# KiCad board Galatea Keyboard PCB.kicad_pcb (continued)
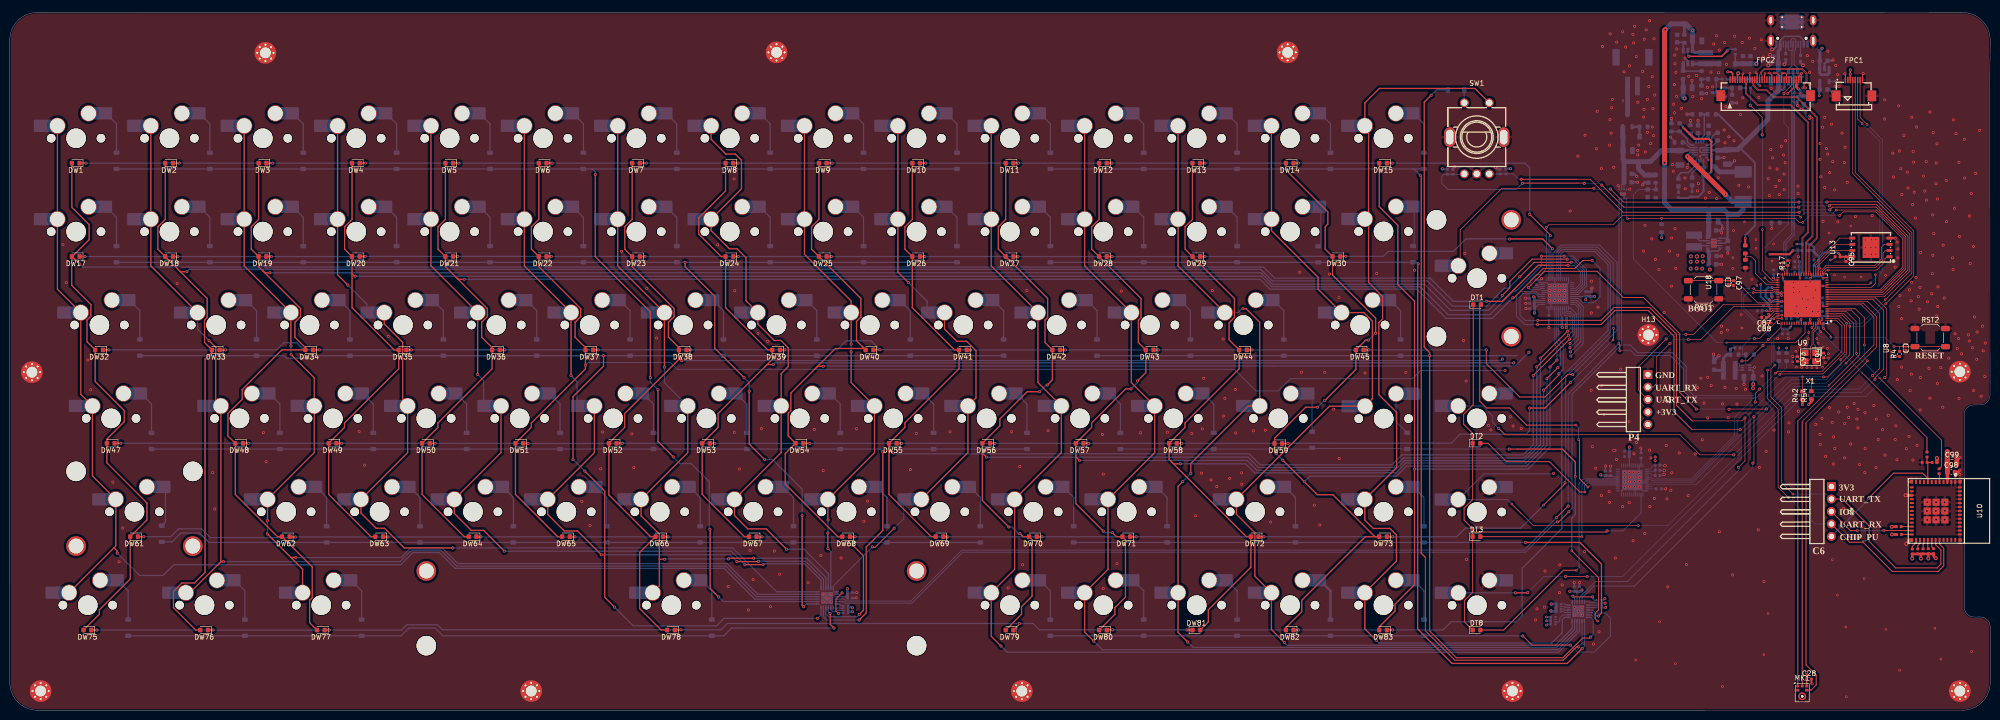
[diagram p0: board, top side]
## Routing (per net, layer and track width the routed paths; a pad name or vN(x,y) marks a point on that pad's centre or on a via; arc(x,y) is an arc through that point) (continued)
/MCU SECTION/DSI_DATA0_P: length 50
  Top w0.115: 354.44,129.16 FPC2.8 354.44,128.09 354.3,127.95 354.3,127.72 354.28,127.71 354.28,125.87 356.54,123.61 363.3,123.61 366.93,119.98 366.93,97.42 365.8,96.29 365.8,89.24 365.87,89.17 U9.39
/MCU SECTION/DSI_DATA1_N: length 49.6
  Top w0.115: U9.36 366.92,89.41 366.99,89.48 366.99,94.8 368.51,96.32 368.51,120.96 364.55,124.92 359.83,124.92 358.33,126.42 356.6,126.42 355.59,127.43 355.59,127.95 355.44,128.09 FPC2.10
/MCU SECTION/DSI_DATA1_P: length 49.6
  Top w0.115: FPC2.11 355.94,128.09 355.8,127.95 355.8,127.52 356.69,126.63 358.42,126.63 359.92,125.13 364.64,125.13 368.72,121.05 368.72,96.23 367.2,94.71 367.2,89.48 367.27,89.41 U9.35
/MCU SECTION/DSI_REXT: length 1.9
  Top w0.127: v2(367.31,88.13) 367.62,88.43 U9.34
  Bottom w0.127: v2(367.31,88.13) 366.55,88.13 R16.1
/MCU SECTION/EN_DCDC: length 13.7
  Top w0.127: U9.79 361.32,78.09 358.86,75.63 v1(358.7,75.63) ; v1(353.36,71.26) 354.49,71.26 v1(357.64,74.41)
  Bottom w0.127: v1(357.64,74.41) 357.64,74.57 v1(358.7,75.63) ; U11.5 353.16,69.89 352.9,70.15 352.9,70.8 v1(353.36,71.26)
/MCU SECTION/ENC_A: length 132.8
  Top w0.127: 382.83,85.43 382.2,84.8 U9.16
  Top w0.15: 319.97,107.53 321.1,107.53 v1(321.17,107.46) ; 382.83,85.43 387.21,89.81 387.21,96.71 380.79,103.13 371.41,103.13 v1(371.18,102.9) ; v1(364.94,102.61) 329.26,102.61 v1(324.76,107.11)
  Top w0.2: v1(308.56,107.49) 308.6,107.53 319.97,107.53
  Bottom w0.15: v1(364.94,102.61) 365.23,102.9 v1(371.18,102.9) ; v1(321.17,107.46) 324.41,107.46 v1(324.76,107.11)
  Bottom w0.2: SW1.A 296.63,109.32 C19.1 R9.2 292.54,109.32 292.1,108.88 292.1,107.51 293.39,106.22 307.29,106.22 v1(308.56,107.49)
/MCU SECTION/ENC_B: length 115.8
  Top w0.127: 382.56,85.82 381.89,85.15 U9.17
  Top w0.15: v1(371.28,102.07) 371.84,102.63 380.71,102.63 386.77,96.57 386.77,90.03 382.56,85.82 ; v1(365,101.58) 329.1,101.58 322.37,108.31 319.62,108.31
  Top w0.2: v1(308.35,108.31) 319.62,108.31
  Bottom w0.15: v1(371.28,102.07) 365.49,102.07 v1(365,101.58)
  Bottom w0.2: v1(308.35,108.31) 307.82,108.31 306.73,109.4 R10.2 C20.1 301.8,109.4 SW1.B
/MCU SECTION/ESP_EN: length 29.9
  Top w0.127: RST2.2 RST2.2 388.65,74.17 U8.2 386.71,74.22 385.46,74.22 ; v2(371.48,76.08) 371.48,76.36 v2(370,77.85) 369.71,78.14 U9.103 ; 385.46,74.22 385.46,74.22 v1(384.36,74.22) ; 385.46,74.22 385.46,73.2 R4.2
  Bottom w0.127: v1(384.36,74.22) 382.5,76.08 v2(371.48,76.08)
  Bottom w0.3: v2(370,77.85) 370.03,77.88 C96.1
/MCU SECTION/FB_DCDC: length 16
  Top w0.127: U9.78 356.95,75.81 v1(355.89,75.81)
  Bottom w0.127: v1(355.89,75.81) 355.03,75.81 353.49,74.27 353.49,73.92 ; 353.49,72.54 354.1,72.54 R14.1 354.13,70.68 354.42,70.39 U11.1 ; 353.49,72.54 353.49,73.92 ; 353.49,72.54 R13.2 ; 353.49,73.92 353.46,73.89 C14.2
/MCU SECTION/FLASH_CK: length 11.1
  Top w0.127: U13.6 372.62,95.04 368.32,90.74 U9.32
/MCU SECTION/FLASH_CS: length 18.9
  Top w0.127: U9.27 370.06,89.22 370.62,89.78 v2(370.94,89.78) 380.8,89.78 382.5,91.48 382.5,92.07 382.94,92.51 U13.1 ; R15.1 371.7,91.85 v2(371.36,91.85)
  Bottom w0.127: v2(371.36,91.85) 370.94,91.43 v2(370.94,89.78)
/MCU SECTION/FLASH_D: length 12.1
  Top w0.127: U9.33 367.97,90.95 373.33,96.31 U13.5
/MCU SECTION/FLASH_HD: length 10.1
  Top w0.127: U13.7 371.99,93.78 368.67,90.46 U9.31
/MCU SECTION/FLASH_Q: length 16.9
  Top w0.127: U9.28 369.71,89.44 370.58,90.31 380.61,90.31 382.12,91.82 382.12,93.22 382.68,93.78 U13.2
/MCU SECTION/FLASH_WP: length 18.4
  Top w0.127: U13.3 382.38,95.04 381.77,94.43 381.77,92.03 380.4,90.66 370.46,90.66 369.36,89.56 U9.29
/MCU SECTION/GPIO6: length 44.2
  Top w0.127: U9.6 374.65,81.29 376.63,79.3 376.63,72.87 v2(376.72,72.78) ; 394.06,55.12 v3(381.42,67.75)
  Top w0.2: R50.1 394.06,49.72 394.06,55.12
  Bottom w0.127: v2(376.72,72.78) 376.72,72.48 381.42,67.77 v3(381.42,67.75)
/MCU SECTION/GPIO54: length 36.8
  Top w0.127: U9.98 367.97,78.4 v2(367.61,78.04) ; v5(377.9,68.81) 391.09,55.63
  Top w0.2: R51.1 391.09,55.63
  Bottom w0.127: v5(377.9,68.81) 370.59,76.13 369.53,76.13 v2(367.61,78.04)
/MCU SECTION/GPIO_35: length 20.3
  Top w0.127: U18.2 350.56,87.63 C97.1 352.05,87.63 356.6,83.08 359.3,83.08 359.96,83.74 U9.66
  Top w0.15: RST1.2 RST1.2 350.41,87.63
/MCU SECTION/LCD_BL_PWM: length 42.4
  Top w0.127: U9.55 359.58,87.59 357.52,89.64 v2(357.52,98.03)
  Top w0.15: v1(357.47,117.39) 357.47,120.97 v1(355.04,123.4)
  Bottom w0.15: R34.1 355.12,123.48 v1(355.04,123.4) ; v2(357.52,98.03) 357.52,117.34 v1(357.47,117.39)
/MCU SECTION/LCD_RESET: length 48.4
  Top w0.127: v1(361.92,125.81) 361.92,125.96 363.44,127.48 FPC2.26 ; U9.56 358.99,87.24 v2(358.03,88.19)
  Bottom w0.127: v1(361.92,125.81) 361.92,119.76 362.87,118.81 362.87,99.51 ; R55.2 362.79,99.43 362.87,99.51 ; v2(358.03,88.19) 358.05,88.21 358.05,94.41 362.87,99.23 362.87,99.51
/MCU SECTION/LED_INTB: length 137.9
  Top w0.127: U9.5 374.13,80.94 376.09,78.97 376.09,72.3 v2(374.59,70.8) ; v1(350.71,61.36) 350.78,61.43 358.32,61.43
  Top w0.2: v1(309.78,86.22) 313.11,89.54 323.8,89.54 329.14,84.19 333.26,84.19 340.64,76.81 340.64,64.81 v1(344.02,61.43)
  Bottom w0.127: v2(374.59,70.8) 370.38,66.59 363.48,66.59 343.32,46.43 335.03,46.43 334.55,45.95 U7.45 ; v1(350.71,61.36) 350.64,61.43 v1(344.02,61.43)
  Bottom w0.2: 311.61,85.81 312.12,85.81 312.31,86 U3.45 ; 311.61,85.81 310.19,85.81 v1(309.78,86.22)
  vias: v1(358.33,61.44)
/MCU SECTION/MIC_BTN: length 133.1
  Top w0.127: 383.06,85.03 382.48,84.45 U9.15
  Top w0.15: v1(364.95,103.65) 329.19,103.65 v1(326.51,106.33) ; v1(323.14,106.47) 304.36,106.47 295.86,97.98 295.86,90.67 ; v1(370.65,103.65) 370.71,103.71 381.01,103.71 387.59,97.13 387.59,89.56 383.06,85.03
  Bottom w0.15: v1(323.14,106.47) 323.31,106.3 326.48,106.3 v1(326.51,106.33) ; v1(370.65,103.65) v1(364.95,103.65)
/MCU SECTION/MIC_SCK: length 92
  Top w0.127: U9.8 376.4,81.99 378.31,80.07 v2(378.31,74.52) ; 366.43,58.66 378.93,71.16 v2(378.93,71.26)
  Top w0.2: 366.43,58.66 366.43,9.23 368.49,7.17 368.49,5.14 367.44,4.09 MK1.4
  Bottom w0.127: v2(378.93,71.26) 378.31,71.88 v2(378.31,74.52)
/MCU SECTION/MIC_SD: length 92.9
  Top w0.127: 365.64,58.93 380.81,74.1 380.81,80.33 378.11,83.04 U9.11
  Top w0.2: MK1.6 365.64,58.93
/MCU SECTION/MIC_WS: length 92.3
  Top w0.127: 364.74,58.99 380.27,74.52 380.27,80.13 377.72,82.69 U9.10
  Top w0.2: MK1.1 364.74,58.99
/MCU SECTION/SDB: length 117.8
  Top w0.127: U9.18 381.74,85.5 386.41,90.17 386.41,96.43 380.82,102.03 v2(372.57,102.03) ; v2(365.33,100.58) 364.98,100.93 328.98,100.93 327.08,99.03 313.98,99.03 v2(313.48,98.53)
  Bottom w0.127: v2(372.57,102.03) 371.98,101.44 366.19,101.44 v2(365.33,100.58)
  Bottom w0.2: 313.48,97.33 313.48,97.7 ; 313.48,97.33 v2(313.48,98.53) ; 313.48,97.33 313.48,92.13 313.51,92.11 313.51,91.78 313.48,91.75 313.48,90.13 312.25,88.89 311.4,88.89 310.28,87.78 310.28,86.69 310.76,86.21 311.78,86.21 311.97,86.4 U3.46
/MCU SECTION/SDB_1: length 69.4
  Top w0.127: U9.7 375.63,81.64 377.38,79.89 377.38,72.53 v3(371.09,66.24)
  Bottom w0.127: U7.46 334.79,45.55 335.27,46.03 344.02,46.03 364.04,66.05 370.9,66.05 v3(371.09,66.24)
/MCU SECTION/Tact_1: length 121.2
  Top w0.127: v1(380.01,68.29) 381.45,69.73 381.45,80.93 379,83.39 U9.12 ; v1(351.69,52.09) 344.81,52.09 340.71,56.19 319.27,56.19
  Top w0.2: v1(303.72,57.49) 305.02,56.19 319.27,56.19
  Bottom w0.127: v1(380.01,68.29) 377.23,65.51 365.11,65.51 v1(351.69,52.09)
  Bottom w0.2: SW_1.1 300.43,62.07 302.51,59.98 302.51,58.7 v1(303.72,57.49)
/MCU SECTION/Tact_2: length 148.5
  Top w0.127: v1(380.5,67.53) 380.5,67.83 382.23,69.56 382.23,81.6 380.1,83.74 U9.13 ; v2(332.21,37.66) 310.8,37.66 308.3,40.16
  Top w0.2: v2(306.41,42.05) 308.3,40.16
  Bottom w0.127: v2(332.21,37.66) 338.15,37.66 365.29,64.8 377.77,64.8 v1(380.5,67.53)
  Bottom w0.2: v1(314.93,48.29) 314.86,48.22 300.71,48.22 SW_2.1 305.49,42.97 v2(306.41,42.05)
/MCU SECTION/Tact_3: length 132.5
  Top w0.127: U9.14 380.65,84.1 382.89,81.85 382.89,68.27 v1(382.48,67.86)
  Top w0.15: v1(317.36,27.29) 317.37,27.28 v1(321.76,27.28)
  Top w0.254: v1(309.63,23.97) 309.6,23.94 v1(307.14,23.94)
  Bottom w0.127: 369.72,64.02 378.64,64.02 v1(382.48,67.86)
  Bottom w0.15: v1(321.76,27.28) 329.04,27.28 365.78,64.02 369.72,64.02 ; v1(309.63,23.97) 312.95,27.29 v1(317.36,27.29)
  Bottom w0.254: SW_3.1 307.14,23.95 v1(307.14,23.94)
/MCU SECTION/UART0_RXD: length 36.6
  Top w0.127: J3.2 335.23,65.91 335.97,66.65 335.97,72.14 v1(338.64,74.81) ; v1(342.4,75.59) 344.92,75.59 351.7,82.38 359.34,82.38 359.38,82.34 U9.70
  Bottom w0.127: v1(338.64,74.81) 339.42,75.59 v1(342.4,75.59)
/MCU SECTION/UART0_TXD: length 41.2
  Top w0.127: v1(337.89,75.72) 332.25,70.08 332.25,65.28 J3.3 ; U9.69 359.49,82.69 359.47,82.71 349.49,82.71 343.45,76.66 v1(341.9,76.66)
  Bottom w0.127: v1(337.89,75.72) 338.83,76.66 v1(341.9,76.66)
/MCU SECTION/USB_C+: length 69.6
  Top w0.127: U9.50 362.01,89.49 v1(361.49,90)
  Bottom w0.2: v1(361.49,90) 362.34,90.85 362.34,95.29 364,96.95 364,126.99 ; 364,126.99 364.72,127.71 U6.4 ; 364,126.99 364,98.05
/MCU SECTION/USB_C-: length 69
  Top w0.127: U9.49 362.36,89.94 361.69,90.61 v1(361.69,91.35)
  Bottom w0.2: 363.55,98.5 363.55,126.71 363.55,97.13 361.89,95.48 361.89,91.55 v1(361.69,91.35) ; 363.55,126.47 363.55,126.99 362.82,127.71 U6.6
/MCU SECTION/usb_vbus_det: length 11.8
  Top w0.127: U9.57 358.27,86.9 356.1,89.06 356.1,91.67 355.26,92.51 354.05,92.51 ; R43.2 354.05,93.15 354.05,92.51 ; R44.1 354.05,92.51
/MCU SECTION/VADC: length 64.4
  Top w0.127: U9.93 366.22,76.9 364.3,74.98 v3(350.21,74.98)
  Bottom w0.127: 348.28,74.98 v3(350.21,74.98)
  Bottom w0.15: 348.28,74.98 331.17,92.09 331.17,105.13 332.27,106.23 C82.1 R47.1
  Bottom w0.254: R46.2 335.77,107.57 R47.1 335.74,106.25
/MCU SECTION/XTAL_N: length 10.5
  Top w0.127: 366.2,71.17 366.2,71.17 X1.3 ; X1.3 366.73,71.17 367.32,71.76 367.32,74.21 367.64,74.53 367.64,77.28 368.32,77.96 U9.99 ; X1.3 C93.2
/MCU SECTION/XTAL_P: length 8.1
  Top w0.127: U9.100 368.67,77.77 367.99,77.09 367.99,74.67 368.41,74.24 X1.1 370.01,72.87 C94.2
/POWER SECTION/USB+: length 9
  Bottom w0.2: 363.28,135.79 363.28,136.68 363.63,137.02 364.1,137.02 364.28,136.85 364.28,134.8 364,134.52 364,131.74 364.72,131.01 U6.3
/POWER SECTION/USB-: length 7.7
  Bottom w0.2: 362.78,135.79 362.78,134.77 362.93,134.61 363.48,134.61 ; U6.1 362.82,130.71 363.55,131.44 363.55,134.55 363.48,134.61 ; 363.78,135.79 363.78,134.91 363.48,134.61
COL0: length 256.1
  Top w0.254: 21.26,33.14 21.62,33.5 MX61.1 16.86,47.78 MX47.1 14.48,64.45 MX32.1 9.71,85.88 MX17.1 MX1.1 ; 21.26,33.14 MX75.1 ; 21.26,33.14 21.91,32.49 v1(21.91,32.04)
  Bottom w0.254: U1.9 151.99,22.66 145.72,28.93 90.86,28.93 87.62,32.17 82.25,32.17 79.76,29.68 33.46,29.68 31.27,27.49 26.46,27.49 v1(21.91,32.04)
COL1: length 232.2
  Top w0.254: MX76.1 36.75,23.97 42.41,29.63 ; 43.1,30.32 43.05,30.27 ; 43.1,30.32 v1(43.59,30.32) ; 43.1,30.32 42.41,29.63 ; 43.05,30.27 MX48.1 42,63.12 42,74.04 v1(40.63,75.41) ; 43.05,30.27 42.41,29.63 ; MX33.1 28.76,90.65 MX18.1 MX2.1
  Bottom w0.254: v1(43.59,30.32) 79.64,30.32 81.94,32.62 87.94,32.62 91.17,29.39 146.05,29.39 152.28,23.16 U1.10 ; v1(40.63,75.41) 38.29,77.75 MX33.1
COL2: length 220.4
  Top w0.254: 58.81,29.68 59.72,28.77 MX77.1 ; 58.81,29.68 58.82,29.68 ; 58.81,29.68 57.33,31.16 ; 57.33,31.16 v1(52.53,35.96) ; 57.33,31.16 v1(58.33,31.16) ; MX3.1 MX19.1 47.81,90.65 MX34.1 57.34,74.31 v1(57.35,74.3) ; v1(57.38,72.53) 62.1,67.81 MX49.1 62.1,52.55 MX62.1 52.58,38.67 v1(52.54,38.63)
  Bottom w0.254: v1(57.35,74.3) 57.35,72.56 v1(57.38,72.53) ; v1(58.33,31.16) 58.35,31.14 79.82,31.14 81.83,33.15 88.15,33.15 91.38,29.92 146.32,29.92 152.58,23.66 U1.11 ; v1(52.53,35.96) 52.54,35.97 v1(52.54,38.63)
COL3: length 187.2
  Top w0.254: v1(68.97,86.72) 66.86,88.83 MX20.1 MX4.1 ; v1(90.35,33.1) 80.46,33.1 76.45,37.11 74.75,37.11 71.63,40.24 MX63.1 81.15,52.55 MX50.1 80.14,63.08 80.14,75.03 76.39,78.79 MX35.1
  Bottom w0.254: v1(68.97,86.72) 72.84,82.85 MX35.1 ; v1(90.35,33.1) 147.48,33.1 156.42,24.16 U1.12
COL4: length 169.8
  Top w0.254: MX5.1 MX21.1 85.91,90.65 MX36.1 95.44,68.48 v1(95.44,68.48) ; MX51.1 100.2,52.55 MX64.1 90.68,40.15 94.13,36.69 96.64,36.69 v1(100.89,32.44) ; v1(149.95,29.67) 149.98,29.69 v1(153.66,29.69)
  Bottom w0.254: v1(95.44,68.48) 96.65,67.27 MX51.1 ; v1(149.95,29.67) 147.18,32.44 v1(100.89,32.44) ; v1(153.66,29.69) 153.84,29.87 162.12,29.87 165.48,26.51 U1.13
COL5: length 151.3
  Top w0.254: v1(114.49,68.26) 114.49,68.26 MX37.1 104.96,90.65 MX22.1 MX6.1 ; v1(148.35,30.31) 152.7,30.31 v1(152.76,30.37) ; MX52.1 119.25,52.55 MX65.1 109.73,39.96 113.12,36.56 115.82,36.56 120.67,31.71 v1(120.67,31.7)
  Bottom w0.254: v1(114.49,68.26) 115.7,67.05 MX52.1 ; v1(152.76,30.37) 152.76,30.37 162.32,30.37 165.98,26.71 U1.14 ; v1(120.67,31.7) 146.96,31.7 v1(148.35,30.31)
COL6: length 145.1
  Top w0.254: 132.5,30.8 132.5,25.31 MX78.1 ; 132.5,30.8 133.58,30.8 v1(133.6,30.78) ; 132.5,30.8 132.5,35.92 128.78,39.65 MX66.1 138.3,52.55 MX53.1 ; v1(151.76,31) 146.71,31 v1(146.58,30.87) ; MX7.1 MX23.1 124.01,90.65 MX38.1 133.54,69.99 v1(133.54,69.99)
  Bottom w0.254: v1(133.54,69.99) 133.54,66.83 MX53.1 ; v1(133.6,30.78) 133.69,30.87 v1(146.58,30.87) ; v1(151.76,31) 162.55,31 166.48,27.07 U1.15
COL7: length 125.6
  Top w0.254: MX8.1 143.06,116.47 146.09,113.45 147.99,113.45 149.26,112.19 149.26,106.36 MX24.1 143.06,97.84 146.76,94.14 148.34,94.14 150.18,92.3 150.18,83.53 MX39.1 152.59,78.79 155.94,75.43 157.28,75.43 158.8,73.92 158.8,70.09 157.35,68.64 MX54.1 157.35,52.55 MX67.1 147.83,39.72 150.55,36.99 154.29,36.99 v1(158.44,32.84)
  Bottom w0.254: v1(158.44,32.84) 162.02,32.84 166.98,27.88 U1.16
COL8: length 104.5
  Top w0.254: v1(166.9,32.96) 166.88,32.98 v1(166.88,36.13) ; MX9.1 MX25.1 162.11,93 171.64,83.47 MX40.1 171.64,74.7 v1(171.63,74.69) ; v1(171.63,73.12) 171.63,66.84 MX55.1 176.4,52.55 MX68.1 166.88,38.85 v1(166.93,38.79)
  Bottom w0.254: U1.17 167.48,32.38 v1(166.9,32.96) ; v1(166.88,36.13) 166.93,36.18 v1(166.93,38.79) ; v1(171.63,73.12) v1(171.63,74.69)
COL9: length 111.7
  Top w0.2: v1(175.96,33.32) 176.05,33.23 176.52,33.23 v1(180.41,37.12)
  Top w0.254: MX69.1 195.45,52.55 MX56.1 197.1,63.72 197.1,73.35 195.18,75.27 193.16,75.27 190.69,77.75 MX41.1 ; MX10.1 MX26.1 181.16,89.39 v1(183.32,87.23)
  Bottom w0.2: v1(175.96,33.32) 167.98,25.34 U1.18 ; MX69.1 182.38,39.08 v1(180.41,37.12)
  Bottom w0.254: MX41.1 187.14,83.41 v1(183.32,87.23)
COL10: length 241.2
  Top w0.254: MX11.1 MX27.1 200.21,90.65 MX42.1 209.74,66.83 MX57.1 214.5,52.55 MX70.1 204.98,28.73 MX79.1 200.21,15.08 v1(202.2,13.09)
  Bottom w0.254: U2.9 320.21,16.11 315.93,11.82 203.47,11.82 v1(202.2,13.09)
COL11: length 220.7
  Top w0.254: MX12.1 MX28.1 219.26,90.65 MX43.1 228.79,66.83 MX58.1 233.55,52.55 MX71.1 224.03,28.73 MX80.1 219.26,15.95 v1(221.13,14.08)
  Bottom w0.254: U2.10 319.71,16.25 315.8,12.34 241.22,12.34 241.21,12.34 222.87,12.34 v1(221.13,14.08)
COL12: length 207.7
  Top w0.254: v1(239.25,46.63) 238.31,45.69 MX81.1 238.31,15.89 v1(240.28,13.92) ; v1(251.57,81.92) 252.19,81.92 254.97,79.14 MX85.1 252.64,62.06 240.91,50.34 v1(240.91,48.3) ; MX13.1 MX29.1 238.31,90.65 MX44.1
  Bottom w0.254: v1(251.57,81.92) 251.36,81.92 250.56,81.12 MX44.1 ; U2.11 319.21,16.46 315.55,12.8 241.4,12.8 v1(240.28,13.92) ; v1(240.91,48.3) 239.25,46.64 v1(239.25,46.63)
COL13: length 198.3
  Top w0.254: v1(260.02,13.8) 257.36,16.46 MX82.1 253.98,27.36 253.98,36.21 250.22,39.96 MX72.1 269.22,62.02 MX30.1 277.96,63.53 277.96,79.36 276.2,81.12 MX45.1 266.89,85.88 266.89,88.33 257.37,97.84 MX16.1 257.37,110.67 257.36,110.68 MX14.1
  Bottom w0.254: U2.12 318.71,16.65 316.24,14.18 316.24,14.17 315.33,13.25 260.57,13.25 v1(260.02,13.8)
COL14: length 195
  Top w0.254: SW1.E 298.86,126.84 279.38,126.84 276.41,123.87 MX15.1 277.18,118.45 277.18,87.27 280.04,84.41 280.04,79.8 279.28,79.04 279.28,64.36 282.91,60.73 282.91,49.52 MX73.1 276.41,38.81 ; 276.41,38.81 278.14,37.08 281.52,37.08 282.87,35.73 282.87,30.43 MX83.1 276.41,16.6 v1(278.74,14.27) ; 276.41,38.81 276.41,38.8
  Bottom w0.254: v1(278.74,14.27) 279.31,13.7 314.57,13.7 316.69,15.82 316.69,18.48 317.14,18.94 U2.13
CS1: length 434.5
  Top w0.2: 311.79,90.77 312.11,90.77 312.11,90.77 ; v1(317.87,90.77) 312.11,90.77 ; 312.11,90.77 313.35,90.77
  Top w0.254: v1(14.27,91.03) 12.75,92.55 DW17.2 ; DW75.2 18.27,19.59 18.27,20.49 24.57,26.78 DW61.2 27.98,38.82 27.98,42.27 19.8,50.45 DW47.2 19.8,55.31 23.36,58.87 23.36,61.11 17.42,67.05 DW32.2 15.75,75.18 15.75,79.6 16.55,80.4 16.55,82.74 12.63,86.66 12.63,92.52 DW17.2 ; v1(301.25,83.43) 301.28,83.4 304.42,83.4 311.79,90.77 ; DW17.2 12.76,92.55 16.19,95.98 16.19,99.05 12.66,102.58 DW1.2
  Bottom w0.2: U3.16 319.38,86 320.4,87.02 320.4,89.44 319.15,90.69 317.95,90.69 v1(317.87,90.77)
  Bottom w0.254: v1(14.27,91.03) 14.9,90.4 36.43,90.4 36.43,90.41 255.22,90.41 255.22,90.4 255.76,90.4 258.02,88.14 289.74,88.14 294.47,83.4 301.22,83.4 v1(301.25,83.43)
CS2: length 407.9
  Top w0.2: v1(308.03,88.42) 310.99,91.38 v1(318.51,91.38)
  Top w0.254: DW76.2 37.94,16.35 33.38,20.91 33.38,24.24 35.09,25.95 37.66,25.95 39.82,28.11 39.82,71.62 41.23,73.03 DW33.2 39.73,75.01 39.73,79.57 40.26,80.11 40.26,84 34.55,89.71 ; DW2.2 31.71,100.12 30.2,98.61 30.2,94.06 DW18.2 34.55,89.71 ; 34.55,89.71 34.8,89.46 v1(36.13,89.46)
  Bottom w0.2: U3.17 319.55,85.6 320.82,86.87 320.82,89.59 319.03,91.38 v1(318.51,91.38) ; 308.01,88.44 v1(308.03,88.42)
  Bottom w0.254: v1(36.13,89.46) 36.62,89.95 255.16,89.95 255.42,89.7 255.42,89.7 255.66,89.45 255.67,89.45 257.55,87.57 289.15,87.57 294.28,82.43 301.23,82.43 304.87,86.07 305.68,86.07 v1(308.03,88.42)
CS3: length 404.5
  Top w0.2: v1(304.44,84.61) 306.01,86.18 306.01,87.49 310.54,92.02 v1(317.69,92.02)
  Top w0.254: 51.62,89.63 50.76,90.49 DW19.2 49.25,94.06 49.25,98.61 50.76,100.12 DW3.2 ; 51.62,89.63 59.31,81.94 59.31,80.3 58.16,79.14 58.16,76.1 60.28,73.98 DW34.2 55.5,73.5 47.4,65.4 47.4,63.42 44.49,60.51 44.49,55.96 DW48.2 46,44.02 54.61,35.4 DW62.2 61.7,29.23 61.7,22.95 61.16,22.41 61.16,17.86 DW77.2 ; 51.62,89.63 52.01,89.24 v1(53.05,89.24)
  Bottom w0.2: v1(317.69,92.02) 318.95,92.02 321.23,89.75 321.23,86.72 319.71,85.2 U3.18
  Bottom w0.254: v1(304.44,84.61) 304.44,84.41 301.61,81.58 293.88,81.58 288.59,86.88 257.59,86.88 255.48,89 255.48,89 255.23,89.24 v1(53.05,89.24)
CS4: length 361.8
  Top w0.2: v1(317.08,92.63) v1(312.43,92.63)
  Top w0.254: DW63.2 73.66,35.4 65.05,44.02 DW49.2 68.28,57.69 68.28,58.59 79.33,69.64 DW35.2 78.42,73.5 69.81,82.12 69.81,89.02 ; v1(70.47,88.54) 70.29,88.54 69.81,89.02 ; DW4.2 69.81,100.12 68.3,98.61 68.3,94.06 DW20.2 69.81,89.02
  Bottom w0.2: v1(317.08,92.63) 318.92,92.63 321.64,89.91 321.64,86.56 319.88,84.8 U3.19
  Bottom w0.254: v1(312.43,92.63) 312.43,90.64 307.24,85.45 306.69,85.45 301.92,80.68 293.41,80.68 287.71,86.39 257.44,86.39 255.29,88.54 v1(70.47,88.54)
CS5: length 347.3
  Top w0.2: v1(322.76,91.75) 320.91,91.75 319.28,90.12 312.83,90.12 306.85,84.14 v1(306.61,84.14)
  Top w0.254: 91.11,88.25 97.41,81.94 97.41,80.3 96.26,79.14 96.26,76.1 98.38,73.98 DW36.2 98.38,69.64 87.33,58.59 87.33,57.69 DW50.2 84.1,44.02 92.71,35.4 DW64.2 ; 91.11,88.25 91.45,87.9 v1(92.69,87.9) ; 91.11,88.25 88.86,90.49 DW21.2 87.35,94.06 87.35,98.61 88.86,100.12 DW5.2
  Bottom w0.2: v1(322.76,91.75) 324.4,90.11 324.4,84.37 323.17,83.14 320.88,83.14 320.02,84 U3.21
  Bottom w0.254: v1(306.61,84.14) 302.4,79.93 292.99,79.93 287.04,85.89 257.07,85.89 255.06,87.9 v1(92.69,87.9)
CS6: length 313.4
  Top w0.254: DW65.2 111.76,35.4 103.15,44.02 DW51.2 106.38,57.69 106.38,58.59 117.43,69.64 v1(117.43,70.37) DW37.2 117.43,73.98 115.31,76.1 115.31,79.14 116.46,80.3 116.46,81.94 107.91,90.49 DW22.2 106.4,94.06 106.4,98.61 107.91,100.12 DW6.2
  In2.Cu w0.2: v1(305.03,69.3) 308.75,69.3 311.92,72.47 317.73,72.47 317.96,72.24 v1(318.44,72.24)
  Bottom w0.2: v1(305.03,69.3) 287.81,69.3 286.15,67.64 261.25,67.64 258.75,65.14 254.23,65.14 249.84,69.53 136.19,69.53 134.79,70.93 117.99,70.93 v1(117.43,70.37) ; v1(318.44,72.24) 320.95,74.75 320.95,82.36 319.7,83.6 U3.22
CS7: length 312.6
  Top w0.254: 136.48,71.9 DW38.2 136.48,73.98 134.36,76.1 134.36,79.14 135.51,80.3 135.51,81.94 126.96,90.49 DW23.2 125.45,94.06 125.45,98.61 126.96,100.12 DW7.2 ; 136.48,71.9 136.48,71.56 125.43,60.51 125.43,57.69 DW52.2 122.2,43.93 130.72,35.4 DW66.2 128.48,32.16 128.48,20.74 132.87,16.35 DW78.2 ; 136.48,71.9 136.48,71.88 v1(137.04,71.32)
  In2.Cu w0.2: v1(304.47,71.63) 306.15,69.95 308.51,69.95 311.65,73.09 v1(318.34,73.09)
  Bottom w0.2: U3.23 319.49,83.2 320.06,82.64 320.06,82.62 320.48,82.2 320.48,75.23 v1(318.34,73.09)
  Bottom w0.254: v1(137.04,71.32) 304.17,71.32 v1(304.47,71.63)
CS8: length 272.4
  Top w0.254: 154.01,70.04 154.47,70.5 v1(155.72,70.5) ; 154.01,70.04 155.53,71.56 DW39.2 154.62,73.5 146.01,82.12 DW24.2 145.1,92.55 140.54,97.11 140.54,100.44 146.01,105.91 DW8.2 ; 154.01,70.04 144.48,60.51 144.48,57.69 DW53.2 141.25,44.02 149.86,35.4 DW67.2
  In2.Cu w0.2: v1(306.8,70.86) 308.58,70.86 311.64,73.92 v1(318.27,73.92)
  Bottom w0.2: v1(318.27,73.92) 319.97,75.62 319.97,82.14 319.31,82.8 318.73,82.8
  Bottom w0.254: v1(306.8,70.86) 156.08,70.86 v1(155.72,70.5)
CS9: length 264.2
  Top w0.254: 164.32,69.69 168.42,73.79 174.29,73.79 DW40.2 174.02,74.07 174.02,74.08 172.73,75.37 172.73,79.32 173.61,80.21 173.61,84 DW25.2 163.55,94.06 163.55,98.61 165.06,100.12 DW9.2 ; 164.32,69.69 164.8,70.17 v1(165.95,70.17) ; 164.32,69.69 159.33,64.7 159.33,61.1 158.79,60.56 158.79,55.96 DW54.2 158.18,52.34 158.18,46.13 168.91,35.4 DW68.2
  In2.Cu w0.2: v1(318.28,74.84) 311.71,74.84 v1(309.89,73.02)
  Bottom w0.2: 317.98,82.05 318.36,82.05 319.55,80.86 319.55,80.75 319.55,80.75 319.55,76.11 v1(318.28,74.84)
  Bottom w0.254: v1(165.95,70.17) 166,70.22 307.09,70.22 v1(309.89,73.02)
CS10: length 259
  Top w0.2: v1(318.21,75.72) 310.78,68.29
  Top w0.254: v1(180.18,52.49) 179.86,52.81 179.35,52.81 ; 179.35,52.81 DW55.2 182.58,57.69 182.58,58.59 193.63,69.64 DW41.2 192.72,73.5 184.11,82.12 DW26.2 182.6,94.06 182.6,98.61 184.11,100.12 DW10.2 ; 179.35,52.81 179.35,44.02 187.96,35.4 DW69.2
  Bottom w0.2: v1(318.21,75.72) 319.15,76.66 319.15,80.58 318.44,81.29 317.71,81.29 317.58,81.42 U3.26
  Bottom w0.254: v1(180.18,52.49) 180.38,52.29 252.85,52.29 255.08,50.06 281.96,50.06 283.99,52.09 308.73,52.09 310.78,54.14 310.78,68.29
  vias: v1(310.78,68.27)
CS11: length 264.5
  Top w0.2: v1(317.95,76.5) 311.49,70.04
  Top w0.254: v1(203.8,37.37) 198.4,42.78 198.4,52.52 ; v1(199.23,51.62) 198.4,52.46 198.4,52.52 ; 198.4,52.52 DW56.2 201.96,58.02 201.96,59.39 207.54,64.97 v1(210.07,64.97) ; DW11.2 203.16,100.12 201.65,98.61 201.65,94.06 DW27.2 211.71,84 211.71,80.1 211.18,79.56 211.18,75.01 DW42.2 212.68,67.39 v1(211.62,66.32) ; DW79.2 206.39,19.59 206.39,21.13 208.54,23.27 208.54,34.78 DW70.2 206.7,35.4 v1(206.05,36.05)
  Bottom w0.2: v1(317.95,76.5) 318.75,77.3 318.75,80.42 318.27,80.89 317.54,80.89 317.18,81.26 U3.27
  Bottom w0.254: v1(203.8,37.37) 204.43,37.37 205.85,35.95 205.95,35.95 v1(206.05,36.05) ; v1(210.07,64.97) 211.42,66.32 v1(211.62,66.32) ; v1(199.23,51.62) 252.61,51.62 254.73,49.5 282.34,49.5 284.3,51.46 308.88,51.46 311.49,54.07 311.49,70.04
  vias: v1(311.49,70.03)
CS12: length 245.4
  Top w0.2: v1(317.82,77.33) 317.79,77.33 312.29,71.83 v1(312.24,71.83)
  Top w0.254: v1(230.04,67.17) 231.73,68.87 DW43.2 230.23,75.01 230.23,79.56 230.76,80.1 230.76,84 DW28.2 220.7,94.06 220.7,98.61 222.21,100.12 DW12.2 ; v1(218.2,50.95) 217.45,51.71 217.45,51.96 ; v1(223.06,36.53) 217.45,42.15 217.45,51.96 ; 217.45,51.96 DW57.2 220.68,57.69 220.68,58.59 227.63,65.54 v1(228.73,65.54) ; DW80.2 225.44,19.59 225.44,20.94 227.59,23.08 227.59,34.78 DW71.2 225.75,35.4 v1(224.93,36.22)
  Bottom w0.2: v1(312.24,71.83) 312.24,71.18 312.23,71.17 ; U3.28 316.78,81.03 317.32,80.49 318.1,80.49 318.31,80.28 318.31,77.82 v1(317.82,77.33)
  Bottom w0.254: v1(230.04,67.17) 230.04,66.85 v1(228.73,65.54) ; 312.23,71.17 312.23,54.16 308.98,50.91 284.51,50.91 282.52,48.92 254.42,48.92 252.39,50.95 v1(218.2,50.95) ; v1(224.93,36.22) 223.37,36.22 v1(223.06,36.53)
CS13: length 228.3
  Top w0.2: v1(312.89,65.28) 312.9,65.28 316.01,68.39 v1(316.01,68.63)
  Top w0.254: DW81.2 244.49,18.01 244.49,20.49 253.17,29.16 DW72.2 252.26,35.4 236.89,50.77 ; DW13.2 241.26,100.12 239.75,98.61 239.75,94.06 DW29.2 249.81,84 249.81,80.12 248.71,79.02 248.71,75.57 DW44.2 250.78,69.64 239.73,58.59 239.73,57.69 DW58.2 236.5,51.16 236.89,50.77 ; 236.89,50.77 237.4,50.26 v1(238.78,50.26)
  Bottom w0.2: v1(316.01,68.63) 316.89,69.51 316.89,74.7 315.98,75.61 U3.30
  Bottom w0.254: v1(238.78,50.26) 252.08,50.26 253.92,48.42 282.77,48.42 284.77,50.42 309.27,50.42 312.89,54.04 v1(312.89,65.28)
CS14: length 216.5
  Top w0.2: v1(315.79,69.87) v1(313.56,67.64)
  Top w0.254: v1(277.16,75.5) 276.6,75.5 DW45.2 274.6,69.53 v1(268.25,63.18) ; DW82.2 260.31,16.87 263.54,20.1 263.54,22.41 276.53,35.4 DW73.2 278.45,35.4 269.89,43.97 266.73,43.97 v1(264.08,46.61) v1(259.69,51) ; DW14.2 260.31,110.22 268.86,101.67 268.86,99.15 268.33,98.61 268.33,94.06 DW30.2 269.83,88.76 278.62,79.97 v1(278.62,76.91) ; v1(266.75,61.8) 264.35,61.8 258,55.45 DW59.2 258,52.69 v1(258.3,52.38)